# Altium PCB XTRXr5.PcbDoc (part 4 of 5)
Units mm, origin at the board's own origin, x right, y up, seen from the top; angles counter-clockwise.
Board outline 50.8 x 29.7 mm, 8 copper layers (Top Layer, Layer 2 Plain, Layer 3, Layer 4, Layer 5 Plane, Layer 6, Layer 7 Plane, Bottom Layer), stack 1.008 mm thick; 452 components, 359 nets, 1868 pads, 1040 vias.
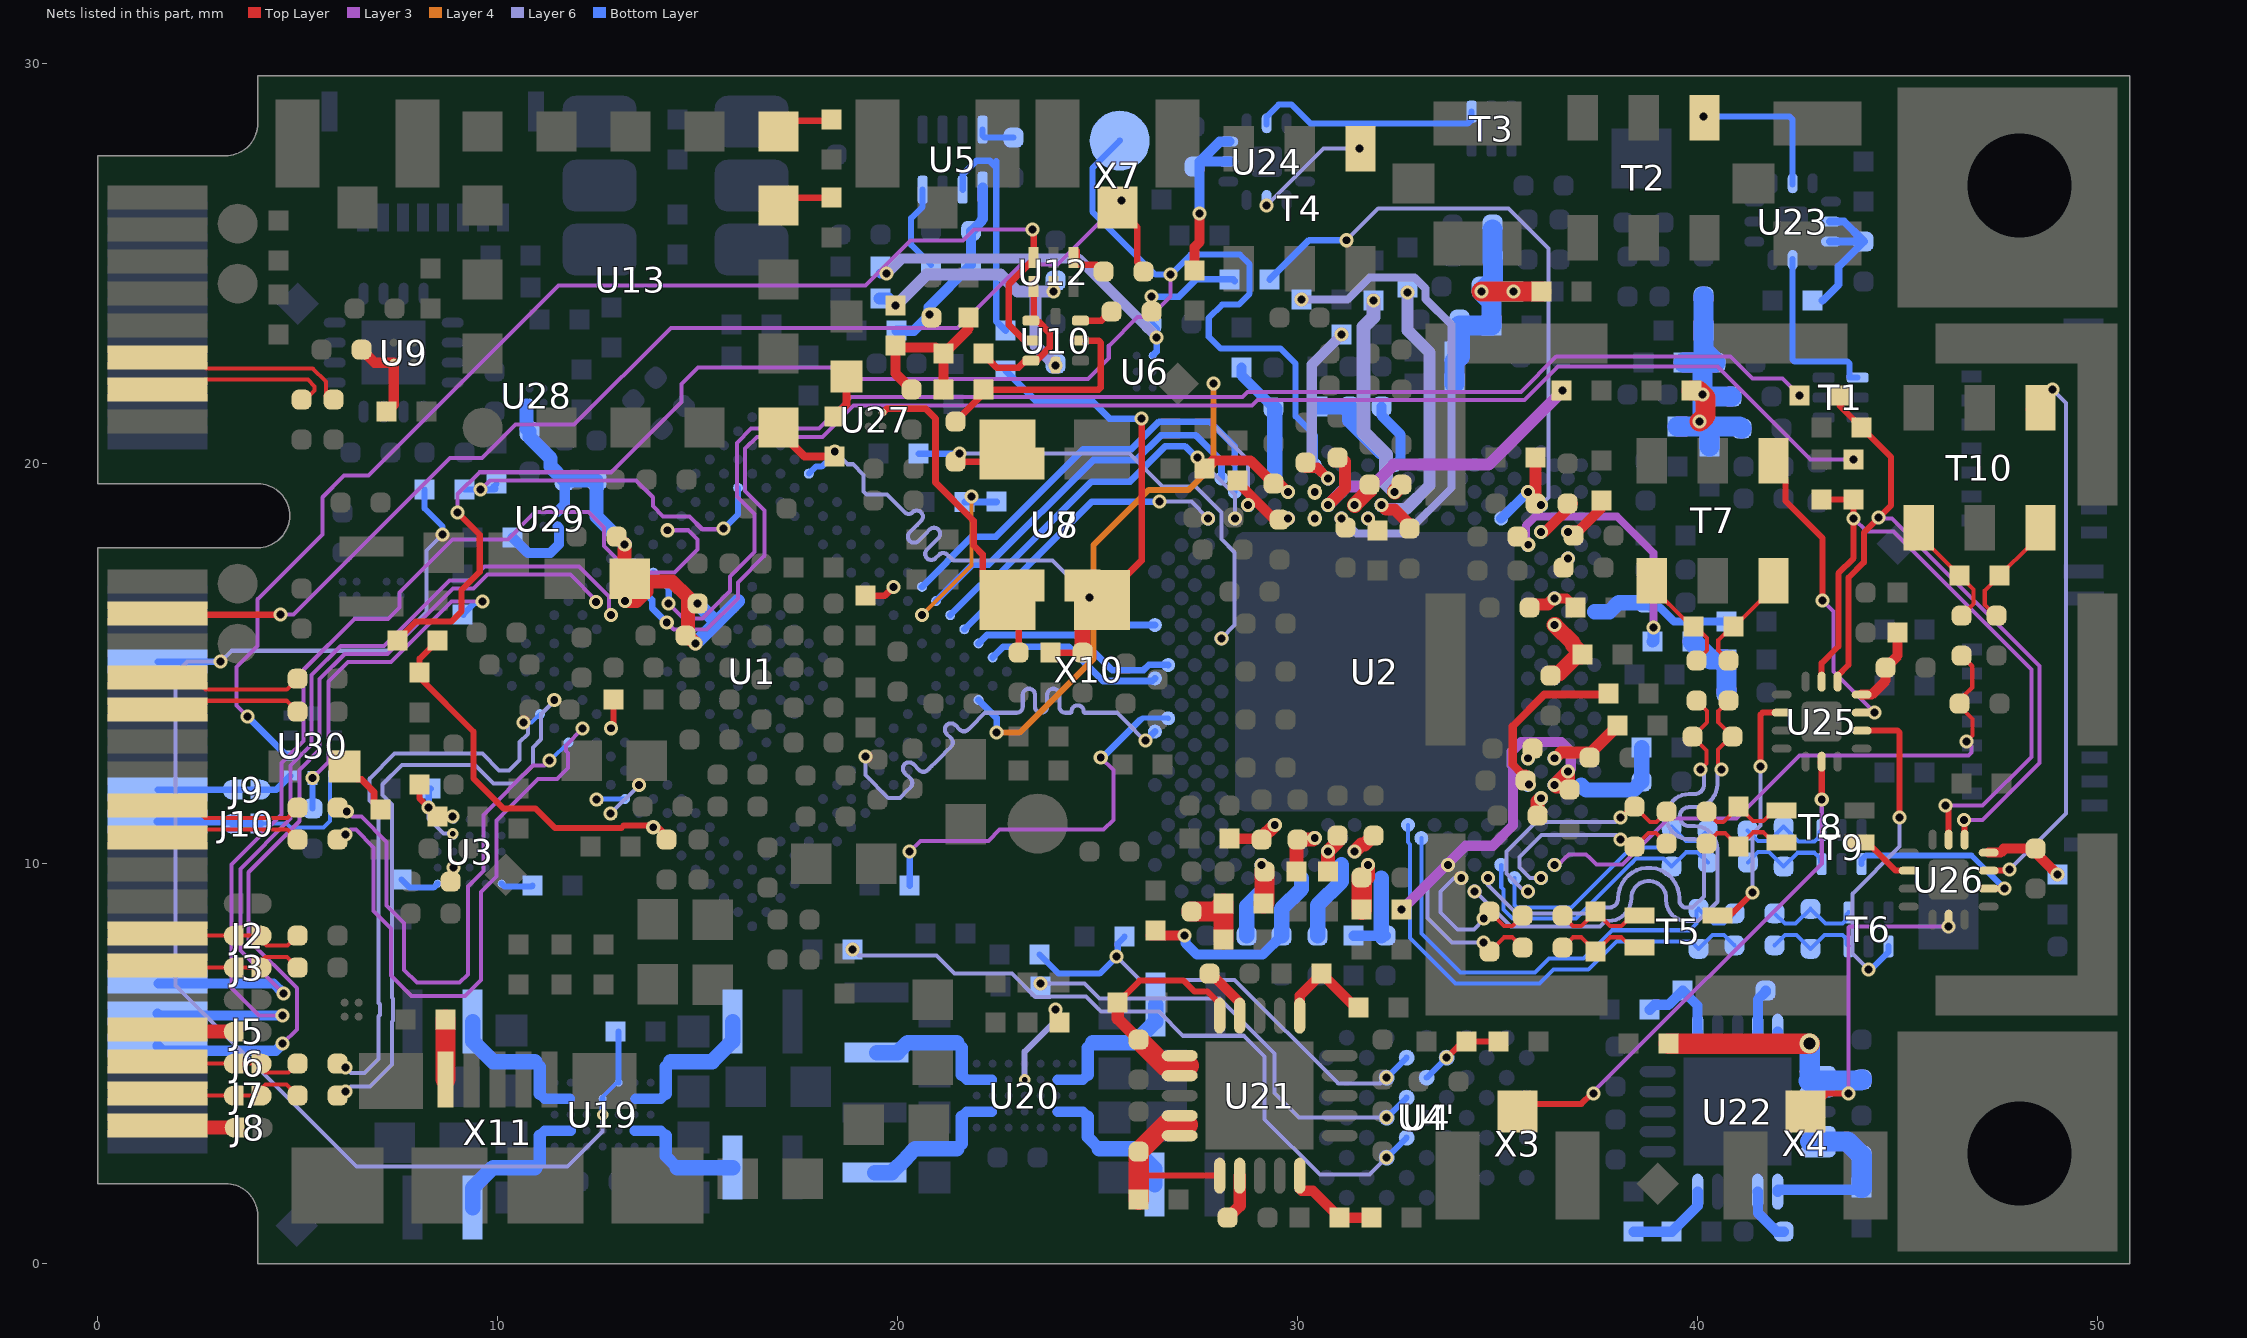
[diagram p10: the nets of this part, all layers, seen from the top]

## Via types
v1: diameter 0.352, hole 0.198, Top Layer to Bottom Layer, tented both sides, 495 vias
v2: diameter 0.352, hole 0.198, Layer 6 to Bottom Layer, tented both sides, 218 vias
v3: diameter 0.352, hole 0.198, Top Layer to Layer 3, tented both sides, 102 vias
v4: diameter 0.5, hole 0.3, Top Layer to Bottom Layer, tented both sides, 78 vias
v5: diameter 0.5, hole 0.25, Top Layer to Bottom Layer, tented both sides, 61 vias
v6: diameter 0.352, hole 0.198, Layer 6 to Bottom Layer, tented bottom, 31 vias
v7: diameter 0.352, hole 0.198, Top Layer to Bottom Layer, tented bottom, 19 vias
v8: diameter 0.29, hole 0.13, Layer 6 to Bottom Layer, tented both sides, 16 vias
v9: diameter 0.352, hole 0.198, Top Layer to Layer 3, tented top, 7 vias
v10: diameter 0.352, hole 0.198, Top Layer to Layer 3, tented bottom, 6 vias
v11: diameter 0.6, hole 0.3, Top Layer to Bottom Layer, tented both sides, 4 vias
v12: diameter 0.29, hole 0.13, Layer 6 to Bottom Layer, tented bottom, 2 vias
v13: diameter 0.352, hole 0.198, Top Layer to Layer 3, 1 vias

## Nets (pads, with @x,y where several pads share a name; then routed paths per layer and width w, separated by ;. In a path a pad name is that pad's centre, name@x,y a point inside that pad or via, vN(x,y) a via of type N, cw(c..) or ccw(c..) an arc to the next point about the centre after c; other vN are vias at no path point) (continued)
LED_WLAN#_GPIO6: U1.M2 X10.44 | length 27.4
  Layer 3 w0.102: v1(4.625,6.2) 4.038,6.2 3.35,6.888 3.35,9.982 4.6,11.232 4.6,12.521 5.143,13.064 5.143,14.848 6.418,16.123 7.263,16.123 7.547,16.406 7.547,16.778 8.874,18.106 10.254,18.106 10.936,18.788 12.266,18.788 12.654,18.4 12.654,17.947 13.023,17.578 13.434,17.578 13.737,17.275 14.425,17.275 15,17.85 15,18.1 14.764,18.336 v1(14.243,18.336)
  Bottom Layer w0.25: X10.44@1.5,6.25 1.55,6.2 v1(4.625,6.2)
LED_WPAN#_GPIO7: U1.G2 X10.46 | length 22
  Layer 3 w0.102: v1(4.625,5.5) 4.979,5.854 4.979,6.886 3.772,8.093 3.772,9.786 5.047,11.061 5.047,12.347 5.55,12.85 5.55,14.616 6.177,15.243 7.246,15.243 8.878,16.875 9.4,16.875 9.75,17.225 11.818,17.225 12.46,16.583 v1(12.46,16.54)
  Bottom Layer w0.254: X10.46@1.5,5.45 1.625,5.325 4.45,5.325 v1(4.625,5.5)
LED_WWAN#_GPIO5: U1.G3 X10.42 | length 21.7
  Layer 3 w0.102: v1(4.65,6.75) 3.568,7.832 3.568,9.87 4.825,11.127 4.825,12.458 5.347,12.98 5.347,14.717 6.076,15.447 7.162,15.447 8.793,17.078 9.316,17.078 9.666,17.428 12.036,17.428 12.788,16.676 12.788,16.253 v1(12.828,16.214)
  Bottom Layer w0.25: X10.42@1.525,7.005 4.395,7.005 v1@4.625,6.775
LMS_LDO_EN: U1.W17 U2.U33 | length 5.3
  Bottom Layer w0.17: U1.W17@22.021,15.507 22.231,15.717 24.483,15.717 25.363,14.837 26.15,14.837 26.286,14.974 26.757,14.974 U2.U33@26.764,14.967
LMS_MISO: U1.W15 U2.F28 | length 10
  Layer 6 w0.102: v2(27.5,20.15) 28.429,19.222 v2(28.429,18.63)
  Bottom Layer w0.17: U1.W15@21.314,16.214 22.048,16.949 22.249,16.949 24.85,19.55 25.806,19.55 26.694,20.438 27.178,20.438 27.466,20.15 v2(27.5,20.15)
LMS_MOSI: U1.W16 U2.F30 | length 7.6
  Layer 6 w0.102: v2(26.55,19.05) 27.342,19.05 v2(27.763,18.63)
  Bottom Layer w0.17: U1.W16@21.667,15.861 24.857,19.05 v2(26.55,19.05)
LMS_NRST: U1.U19 U2.E27 | length 16.3
  Layer 4 w0.15: v1(22.475,13.275) 23.05,13.275 24.9,15.125 24.9,17.971 26.267,19.338 27.265,19.338 27.9,19.973 v1(27.9,22)
  Layer 6 w0.102: v1(27.9,22) 27.9,20.952 28.762,20.09 v2(28.762,18.963)
  Bottom Layer w0.17: U1.U19@22.021,14.093 22.475,13.639 v1(22.475,13.275)
LMS_SCLK: U1.W14 U2.C29 | length 9.6
  Bottom Layer w0.17: U1.W14@20.96,16.568 21.867,17.475 22.275,17.475 24.891,20.091 25.963,20.091 26.581,20.709 27.454,20.709 28.096,20.067 U2.C29@28.096,19.629
LMS_SEN: U1.W13 U2.D28 | length 10.9
  Bottom Layer w0.127: U2.D28@28.429,19.296 28.429,19.971
  Bottom Layer w0.17: U1.W13@20.607,16.921 21.86,18.175 22.455,18.175 24.642,20.362 25.85,20.362 26.538,21.05 27.802,21.05 28.429,20.423 28.429,19.971
LMS_TST1: TP1.1 U2.D22
  other v7: 30.427,19.296
LMS_TST2: TP2.1 U2.F22
  other v7: 30.427,18.63
LMS_TSTAO: R36`.2 TPA.1 U2.B22 | length 41
  Top Layer w0.152: R36`.2@7.5,15.575 7.5,15.6 7.95,16.05 8.836,16.05 9.1,16.314 9.1,16.844 9.553,17.296 9.553,18.222 v3(9,18.775)
  Layer 3 w0.102: v3(9,18.775) 9,19.239 9.546,19.785 12.834,19.785 14.596,21.546 14.596,21.99 15.009,22.403 18.772,22.403 19.053,22.122 24.761,22.122 25.277,22.638 25.277,22.948 25.999,23.67 26.309,23.67 26.825,24.186 v1(26.825,24.725)
  Bottom Layer w0.152: TPA.1@25.551,28.075 24.866,27.389 24.866,26.3 26.441,24.725 v1(26.825,24.725) 27.325,25.225 28.558,25.225 28.8,24.983 28.8,24.25 28.527,23.977 28.109,23.977 27.778,23.646 27.778,23.172 28.075,22.875 29.574,22.875 29.95,22.499 29.95,21.184 30.427,20.708 U2.B22@30.427,19.962
M0: R35.2 U1.V12 | length 0.8
  Top Layer w0.17: R35.2@19.2,16.7 19.678,16.7 v1(19.899,16.921)
MCLK_1: U1.L17 U2.AB34 | length 12.7
  Layer 6 w0.102: v2(19.192,12.679) 19.192,12.214 19.763,11.643 20.054,11.643 20.105,11.695 20.213,11.802 20.321,11.91 ccw(c20.213,12.018) 20.321,12.126 20.175,12.272 cw(c20.282,12.38) 20.175,12.488 cw(c20.282,12.38) 20.39,12.488 20.536,12.341 ccw(c20.644,12.449) 20.752,12.341 20.86,12.449 20.918,12.507 21.118,12.707 21.226,12.815 21.333,12.923 ccw(c21.226,13.031) 21.333,13.138 21.224,13.248 cw(c21.332,13.355) 21.224,13.463 cw(c21.332,13.355) 21.44,13.463 21.549,13.354 ccw(c21.657,13.462) 21.764,13.354 21.818,13.407 22.185,13.774 22.975,13.774 ccw(c22.975,13.927) 23.127,13.927 23.127,14.223 cw(c23.28,14.223) 23.28,14.375 cw(c23.28,14.223) 23.432,14.223 23.432,13.927 ccw(c23.585,13.927) 23.585,13.774 ccw(c23.585,13.927) 23.737,13.927 23.737,14.223 cw(c23.889,14.223) 23.889,14.376 cw(c23.889,14.223) 24.042,14.223 24.042,13.927 ccw(c24.194,13.927) 24.194,13.774 24.315,13.774 ccw(c24.315,13.806) 24.347,13.806 cw(c24.499,13.806) 24.499,13.958 cw(c24.499,13.806) 24.651,13.806 ccw(c24.683,13.806) 24.683,13.774 24.956,13.774 25.261,13.774 25.486,13.774 25.594,13.666 25.686,13.575 26.2,13.061 v2(26.2,13.075)
  Bottom Layer w0.17: v2(26.2,13.075) 26.204,13.075 U2.AB34@26.431,13.301
MCLK_2: U1.W5 U2.P34 | length 13.1
  Layer 6 w0.102: v2(18.426,20.301) 18.74,19.986 18.88,19.986 19.147,19.72 19.147,19.303 19.222,19.228 19.736,19.228 19.844,19.121 20.059,18.905 20.18,18.784 ccw(c20.275,18.879) 20.37,18.784 cw(c20.477,18.677) 20.585,18.784 cw(c20.477,18.677) 20.585,18.569 20.49,18.474 20.301,18.284 ccw(c20.408,18.177) 20.301,18.069 ccw(c20.408,18.177) 20.516,18.069 20.706,18.259 20.801,18.353 cw(c20.908,18.245) 21.016,18.353 cw(c20.908,18.245) 21.016,18.138 20.921,18.043 20.732,17.853 ccw(c20.84,17.746) 20.732,17.638 ccw(c20.84,17.746) 20.947,17.638 21.029,17.72 cw(c21.137,17.612) 21.245,17.72 21.352,17.612 21.389,17.575 21.425,17.575 23.875,17.575 v2(24.8,16.65)
  Bottom Layer w0.15: U1.W5@17.778,19.75 17.953,19.925 18.099,19.925 18.426,20.252 v2(18.426,20.301)
  Bottom Layer w0.17: v2(24.8,16.65) 25.484,15.966 U2.P34@26.431,15.966
MGTRREF_216: R58.1 U1.C7 | length 0.7
  Top Layer w0.152: v1(12.828,13.386) 12.9,13.457 R58.1@12.9,14.1
MHZ_IN: C28.2 ESD1.1 X7.1 X10.19 | length 30.1
  Top Layer w0.17: X10.19@1.5,16.25 1.525,16.225 v9(4.575,16.225) ; X7.1@25.625,26.275 25.987,25.913 25.987,25.038 C28.2@26.225,24.8
  Layer 3 w0.102: v9(4.575,16.225) 4.9,16.225 8.813,20.138 9.611,20.138 10.448,20.975 11.907,20.975 14.329,23.397 21.501,23.397 23.079,24.975 24,24.975 v1(25.6,26.575)
MHZ_OUT: U10.6 U12.3 U30.7 | length 31.9
  Top Layer w0.17: v3@23.325,25.85 23.4,25.775 U12.3@23.4,25.125 ; U10.6@23.33,23.075 23.175,23.075 22.775,23.475 22.775,24.475 23.375,25.075 U12.3@23.375,25.125
  Layer 3 w0.102: v1(3.75,13.675) 3.475,13.95 3.475,14.922 4,15.447 4,16.611 5.622,18.232 5.622,19.161 6.161,19.7 6.775,19.7 11.525,24.45 19.2,24.45 20.325,25.575 21.629,25.575 21.904,25.85 v3(23.375,25.85)
  Bottom Layer w0.17: v1(3.75,13.675) 4.717,12.708 4.807,12.708 U30.7@4.815,12.7
NetC4_2: C4.2 U3.B2
  other v1: 8.9,9.9
NetC8_2: C8.2 C9.2 L1.1 R25.1 U5.1 | length 4.7
  Bottom Layer w0.254: L1.1@19.975,23.325 20.4,23.325 20.775,23.7 20.775,23.912 R25.1@21.834,24.971 C9.2@21.834,25.821 21.86,25.821 22.097,26.058 22.097,26.091 22.125,26.119 U5.1@22.125,26.9
  other v1: 20.8,23.725
NetC10_1: C10.1 R34.1 U6.A1 | length 8.8
  Layer 6 w0.25: v2(19.725,24.75) 20.1,25.125 24.525,25.125 v2@26.475,23.175
  Bottom Layer w0.17: C10.1@26.35,23.5 26.475,23.375 v2(26.475,23.15) 26.475,22.8 U6.A1@26.375,22.7
  Bottom Layer w0.25: R34.1@19.575,24.75 v2(19.725,24.75) R34.1@19.75,24.75
NetC12_2: C12.2 R36.1 R36`.1 R38.1 U1.A12 | length 9.5
  Top Layer w0.152: R36`.1@8.5,15.575 8.05,15.125 R38.1@8.05,14.775 8.05,14.645 9.39,13.305 9.39,12.135 10.15,11.375 10.95,11.375 11.429,10.896 13.093,10.896 13.147,10.95 13.85,10.95 v1(13.889,10.911) ; v1@14.014,10.911 C12.2@14.225,10.7
NetC13_2: C13.2 R32.2 R37.1 U7.1 U8.1 | length 12
  Top Layer w0.17: R37.1@23.825,15.275 C13.2@24.625,15.275 ; U7.1@24.5,15.975 24.625,16.1 26.1,17.575 v1(26.1,21.125)
  Top Layer w0.4: C13.2@24.625,15.275 24.625,16.1 24.625,16.11 U7.1@25.11,16.595
  Bottom Layer w0.17: R32.2@22.7,22.325 23.459,21.566 24.857,21.566 25.298,21.125 v1(26.1,21.125)
NetC14_1: C14.1 U10.3 | length 0.8
  Top Layer w0.17: U10.3@24.57,23.575 25.1,23.575 C14.1@25.325,23.8
NetC15_2: C15.2 U7.4 U8.4 U27.A2 | length 8.2
  Top Layer w0.17: U27.A2@19.625,21.275 19.633,21.275 19.733,21.375 20.692,21.375 20.942,21.125 20.942,19.53 21.902,18.57 21.902,17.957 22.125,17.734 22.125,17.21 U7.4@22.74,16.595 23.025,16.31 C15.2@23.025,15.275
NetC16_2: C16.2 L2.2 U9.A2 | length 2.2
  Top Layer w0.254: C16.2@6.6,22.85 6.925,22.525 U9.A2@7.4,22.525 7.4,21.475 L2.2@7.225,21.3
NetC17_1: C17.1 R39.2 R40.1 R41.1 R42.2 | length 4.5
  Top Layer w0.25: R40.1@19.95,22.875 19.95,22.25 C17.1@20.35,21.85 ; R40.1@19.95,22.9 19.953,22.903 20.947,22.903 R42.2@21.125,22.725 ; R41.1@21.15,21.85 R42.2@21.15,22.75 21.775,23.375 R39.2@21.775,23.65
NetC18_1: C18.1 C26.1 L3.2 R40.2 U10.8 U12.5 | length 7
  Layer 6 w0.3: v1(19.95,23.95) 20.725,24.725 22.575,24.725 23,24.3 v1(23.9,24.3) ; 23.45,24.288 23.45,22.95 v1(23.95,22.45)
  Bottom Layer w0.3: L3.2@19.55,24.125 L3.2@19.575,24.125 19.775,24.125 v1(19.95,23.95)
NetC19_1: C19.1 U7.3 U8.3 | length 2.1
  Top Layer w0.17: C19.1@21.45,20.05 U7.3@22.175,20.05 ; U7.3@22.25,20.975 U8.3@23.225,20
NetC19_2: C19.2 R41.2 U10.2 | length 5.6
  Top Layer w0.17: C19.2@21.45,21.05 22.25,21.85 25.025,21.85 25.075,21.9 25.075,23.025 25.025,23.075 U10.2@24.57,23.075
NetC28_1: C28.1 U12.1 | length 1.3
  Top Layer w0.17: U12.1@24.4,25.15 24.45,25.2 24.45,25.3 24.475,25.325 24.475,24.975 24.975,24.975 C28.1@25.15,24.8
NetC44_2: C44.2 U21.19 | length 1.4
  Top Layer w0.254: C44.2@27.8,7.25 27.831,7.25 28.55,6.531 U21.19@28.55,6.2
NetC45_2: C45.2 U22.19 | length 1.1
  Bottom Layer w0.254: U22.19@41.5,5.8 41.505,5.805 41.505,6.604 41.7,6.799 C45.2@41.7,6.825
NetC54_2: C54.2 L9.2 U21.1 U21.2 U21.20 | length 6.1
  Top Layer w0.152: L9.2@25.5,6.525 26.05,7.075 27.15,7.075 27.425,6.8 27.75,6.8 28.05,6.5 U21.20@28.05,6.2
  Top Layer w0.254: U21.1@26.9,5.2 U21.1@27.05,5.2
  Top Layer w0.305: L9.2@25.5,6.525 25.5,6.125 C54.2@26.025,5.6
  Top Layer w0.508: C54.2@26.025,5.6 26.675,4.95 27.275,4.95
NetC55_2: C55.2 L10.2 U21.4 U21.5 U21.6 | length 4.7
  Top Layer w0.15: 26.025,2.2 U21.6@28.05,2.2
  Top Layer w0.508: L10.2@26.025,1.6 26.025,2.2 C55.2@26.025,2.8 26.7,3.475 27.25,3.475
NetC56_2: C56.2 L11.2 U22.1 U22.2 U22.20 | length 6.9
  Top Layer w0.508: L11.2@39.275,5.5 v4(42.8,5.5)
  Bottom Layer w0.254: U22.20@42,5.8 42,5.559 42.012,5.547 42.753,5.547 v4(42.8,5.5)
  Bottom Layer w0.508: 42.775,4.57 42.784,4.579 ; v4(42.8,5.5) 42.8,4.595 42.784,4.579 ; C56.2@44.1,4.6 44.079,4.579 42.784,4.579
NetC57_2: C57.2 L12.2 U22.4 U22.5 U22.6 | length 4.4
  Bottom Layer w0.254: U22.6@42,1.8 42,1.838 42.012,1.85 44.05,1.85 L12.2@44.1,1.9
  Bottom Layer w0.508: 42.816,3.054 43.746,3.054 C57.2@44.1,2.7 L12.2@44.1,1.9
NetC60_2: C60.2 U21.7 | length 1.2
  Top Layer w0.305: C60.2@28.25,1.15 28.55,1.45 U21.7@28.55,2.2
NetC61_2: C61.2 U22.7 | length 1.4
  Bottom Layer w0.254: U22.7@41.5,1.8 41.505,1.795 41.505,1.27 41.975,0.8 C61.2@42.15,0.8
NetC74_2: C74.2 L35.1 R75.2 | length 1.9
  Bottom Layer w0.5: L35.1@39.875,15.55 40.325,15.1 R75.2@40.725,15.1 C74.2@40.725,14.275
NetC82_2: C82.2 L38.2 U2.P4 | length 2.1
  Top Layer w0.4: C82.2@36.325,14.7 36.325,14.739 36.336,14.75 36.528,14.75 36.609,14.831 36.953,15.175 37.075,15.175 L38.2@37.125,15.225 36.889,15.461 36.889,15.507 36.43,15.966 v1(36.421,15.966)
NetC83_2: C83.2 U2.G5 | length 1.1
  Top Layer w0.25: v1(36.088,18.297) 36.184,18.297 C83.2@36.888,19
NetC84_2: C84.2 L36.2 U2.N1 | length 3.6
  Bottom Layer w0.203: C84.2@38.7,16.525 38.819,16.406 39.056,16.406 39.412,16.05 L36.2@40.725,16.05
  Bottom Layer w0.381: U2.N1@37.42,16.299 37.799,16.299 38.025,16.525 C84.2@38.7,16.525
NetC85_2: C85.2 L37.2 U2.AE3 U2.AF4 | length 10
  Top Layer w0.35: v1(36.421,11.969) v1(36.754,12.303) ; v1(36.421,11.969) 36.466,11.925 36.725,11.925 C85.2@36.754,11.896 ; v1(36.754,12.303) C85.2@36.754,11.896 ; C85.2@36.8,11.85 C85.2@36.754,11.896
  Layer 3 w0.254: v3(32.6,8.85) 34.2,10.45 34.875,10.45 35.382,10.957 35.382,12.436 35.35,12.468 35.35,12.803 35.587,13.04 36.588,13.04 36.825,12.803 36.825,12.374 v1(36.754,12.303) v1(36.421,11.969)
  Bottom Layer w0.35: v1(36.421,11.969) v1(36.754,12.303)
NetC86_2: C86.2 U2.AD6
  other v1: 35.755,12.635
NetC87_2: C87.2 U2.AG5 | length 0.5
  Top Layer w0.35: C87.2@36,11.2 36,11.549 v1(36.088,11.637)
NetC88_2: C88.2 U2.J3 | length 0.3
  Top Layer w0.25: C88.2@36.6,17.4 36.6,17.477 v1(36.754,17.631)
NetC89_2: C89.2 R77.2 U2.D24 | length 2.5
  Top Layer w0.25: R77.2@27.675,19.875 27.875,20.075 28.825,20.075 C89.2@29.4,19.5 ; C89.2@29.375,19.475 29.581,19.475 v1(29.761,19.296)
NetC90_2: C90.2 L28.2 U2.C25 | length 3.1
  Bottom Layer w0.25: L28.2@28.6,22.4 28.6,22.2 C90.2@29.4,21.4 C90.2@29.428,21.372
  Bottom Layer w0.381: U2.C25@29.428,19.629 C90.2@29.428,21.372
NetC91_2: C91.2 L29.2 U2.F24 | length 1.8
  Top Layer w0.25: L29.2@28.452,19.577 29.429,18.6 C91.2@29.55,18.6 v1@29.8,18.6
  other v1: 29.761,18.63
NetC92_2: C92.2 L30.2 U2.AL21 | length 1
  Top Layer w0.35: L30.2@30.76,9.8 v1(30.76,10.305) 31,10.545 C92.2@31,10.7
NetC93_2: C93.2 L31.2 U2.M4 | length 1.3
  Top Layer w0.25: v1(36.421,16.632) 36.718,16.632 L31.2@36.95,16.4
  Top Layer w0.3: C93.2@35.8,16.4 35.885,16.485 36.259,16.485 36.406,16.632 v1(36.421,16.632)
NetC94_2: C94.2 L35.2 U2.H6 | length 6.4
  Layer 3 w0.2: v1(35.765,17.974) 35.736,18.003 35.736,18.114 35.71,18.14 35.71,18.453 35.931,18.674 37.988,18.674 38.9,17.762 v1(38.9,15.9)
  Bottom Layer w0.3: L35.2@38.875,15.55 38.89,15.565 38.89,15.89 v1(38.9,15.9)
NetC95_2: C95.2 L32.2 U2.G3 | length 1.5
  Top Layer w0.25: C95.2@36.9,18.2 36.85,18.2 v1(36.754,18.297) 36.782,18.325 37.025,18.325 37.6,18.9 L32.2@37.6,19.075
NetC96_1: C96.1 L42.1 U2.E17 | length 7.6
  Top Layer w0.3: v1(32.092,18.963) 32.204,18.85 32.425,18.85 32.825,18.45 C96.1@32.825,18.35
  Layer 6 w0.3: v1(32.092,18.963) 32.106,18.963 32.2,18.868 32.708,18.868 33.3,19.46 33.3,22.78 32.75,23.33 v2(32.75,24.275)
NetC97_1: C97.1 L43.1 U2.D16 | length 5.5
  Top Layer w0.381: v1(32.425,19.296) 32.425,19.3 C97.1@32.6,19.475
  Layer 6 w0.35: v2@31.9,24.075 31.9,23.665 31.647,23.412 31.647,20.793 32.211,20.229 32.211,19.509 v1(32.425,19.296)
  other v2: 31.9,24.075
NetC98_1: C98.1 L44.1 U2.E21 | length 8.7
  Top Layer w0.3: v1(30.76,18.963) 31.187,19.39 31.187,20.056 30.906,20.056 C98.1@31,20.15
  Layer 3 w0.3: v1(30.76,18.963) 31.222,19.425 31.85,19.425 32.4,19.975 34.775,19.975 v3(36.625,21.825)
NetC99_1: C99.1 U2.B16 | length 1.7
  Bottom Layer w0.25: C99.1@32.1,21.425 32.1,21.2 32.575,20.725 32.575,20.112 U2.B16@32.425,19.962
NetC100_1: C100.1 L45.1 U2.A17 | length 2.3
  Bottom Layer w0.381: L45.1@30.5,21.425 C100.1@31.3,21.425 31.3,21.086 U2.A17@32.092,20.295
NetC101_1: C101.1 U2.E19 | length 0.7
  Top Layer w0.381: v1(31.425,18.963) 31.8,19.337 C101.1@31.8,19.475
NetC102_1: C102.1 L73.1 U2.F20 | length 12.4
  Top Layer w0.25: v1(31.093,18.63) 31.093,18.532 C102.1@31.225,18.4
  Layer 6 w0.2: v2(30.1,24.1) 31.247,24.1 31.8,24.653 32.922,24.653 33.199,24.376 33.199,24.117 33.85,23.466 33.85,19.4 32.702,18.252 31.47,18.252 v1(31.093,18.63)
NetC103_1: C103.1 L46.1 U2.C21 | length 4.7
  Top Layer w0.254: C103.1@30.2,19.9 30.488,19.9 v1(30.76,19.629)
  Layer 6 w0.254: v1(30.76,19.629) 30.35,20.038 30.35,22.475 v2(31.1,23.225)
NetC104_1: C104.1 L47.1 U2.AM18 | length 1.1
  Top Layer w0.35: C104.1@31.759,9.658 v1(31.759,9.972)
  Top Layer w0.508: L47.1@31.6,8.85 C104.1@31.6,9.65
NetC105_1: C105.1 L48.1 U2.AN23 | length 5.6
  Top Layer w0.25: L48.1@26.45,8.325 26.325,8.2 v1(27.175,8.2)
  Bottom Layer w0.25: v1(27.175,8.2) 27.195,8.18 27.195,8.013 27.484,7.723 29.123,7.723 C105.1@29.6,8.2
  Bottom Layer w0.381: C105.1@29.6,8.2 29.6,8.875 30.094,9.369 U2.AN23@30.094,9.639
NetC106_1: C106.1 U2.AL19 | length 0.6
  Top Layer w0.35: v1(31.425,10.305) 31.596,10.475 31.675,10.475 C106.1@31.9,10.7
NetC107_1: C107.1 U2.AM20 | length 2
  Bottom Layer w0.381: C107.1@30.5,8.2 30.5,8.962 31.093,9.554 U2.AM20@31.093,9.972
NetC108_1: C108.1 L49.1 U2.AN17 | length 2.2
  Bottom Layer w0.254: L49.1@31.4,8.2 32.092,8.2 C108.1@32.2,8.2
  Bottom Layer w0.381: C108.1@32.092,8.2 U2.AN17@32.092,9.638
NetC109_1: C109.1 L50.1 U2.AJ25 | length 1.3
  Top Layer w0.254: L50.1@28.3,10.625 29.075,10.625 C109.1@29.1,10.6
  Top Layer w0.35: C109.1@29.1,10.6 29.1,10.643 v1(29.428,10.971)
NetC110_1: C110.1 U2.AP26 | length 1.3
  Bottom Layer w0.381: C110.1@28.725,8.2 28.725,8.936 U2.AP26@29.095,9.306
NetC111_1: C111.1 L39.1 U2.AM26 | length 0.8
  Top Layer w0.5: L39.1@29.15,9 29.175,9.025 C111.1@29.175,9.8
  other v1: 29.095,9.972
NetC112_1: C112.1 L40.1 U2.AK22 | length 1.3
  Top Layer w0.35: L40.1@29.974,9.8 29.974,10.574 C112.1@30,10.6 30.389,10.6 v1(30.427,10.638)
NetC113_1: C113.1 L51.1 U2.AF6 | length 4.4
  Top Layer w0.203: C113.1@35.7,12.075 35.7,12.256 35.597,12.256 35.375,12.478 35.375,13.435 36.165,14.225 L51.1@37.775,14.225
  Top Layer w0.3: C113.1@35.7,12.075 35.7,12.024 35.747,11.977 v1(35.787,11.977)
NetC114_1: C114.1 L52.1 U2.AD4 | length 1.9
  Top Layer w0.3: v1(36.421,12.635) 36.435,12.635 36.574,12.775 37.325,12.775 L52.1@38,13.45
NetC115_1: C115.1 L53.1 U2.AF2 | length 2.5
  Bottom Layer w0.381: U2.AF2@37.087,11.969 37.213,11.843 38.393,11.843 C115.1@38.6,12.05 L53.1@38.6,12.9
NetC116_1: C116.1 L41.1 U2.D6 U2.F8 | length 2.4
  Top Layer w0.3: v1(35.755,19.296) C116.1@35.95,19.1 ; C116.1@35.95,19 C116.1@35.95,19.1 ; L41.1@35.95,20.15 C116.1@35.95,19.1
  Bottom Layer w0.25: U2.F8@35.089,18.63 v1(35.755,19.296)
NetC122_1: C122.1 L39.2 R79.1 | length 1.8
  Top Layer w0.5: C122.1@27.35,8.8 27.95,8.8 L39.2@28.15,9 R79.1@28.15,8.1
NetC153_1: C153.1 C154.1 C155.1 C156.1 C157.1 C158.1 C159.1 U1.H3 U1.J7 U1.K1 U1.K7 U1.L7 U1.M7 U28.A2 U29.A2 | length 12.9
  Top Layer w0.35: v1(13.176,17.976) C157.1@13.176,17.988 ; v1(13.176,17.976) 13.176,17.249 C159.1@13.3,17.125 ; v1(13.182,16.57) 13.47,16.57 C159.1@13.707,16.807 ; C159.1@13.51,17.125 13.722,16.912 C159.1@13.722,16.822 ; C159.1@13.722,17.057 14.358,17.057 14.753,16.662 C156.1@14.753,16.5 ; v1(14.95,15.509) 14.7,15.759 14.7,15.81 14.753,15.863 C156.1@14.753,16.5 ; v1(15,16.5) C156.1@14.753,16.5
  Top Layer w0.381: C159.1@13.707,16.807 C159.1@13.707,16.822